# Allegro board BeagleBone_AI-64_Rev_B1_PCB_220602.brd (continued)
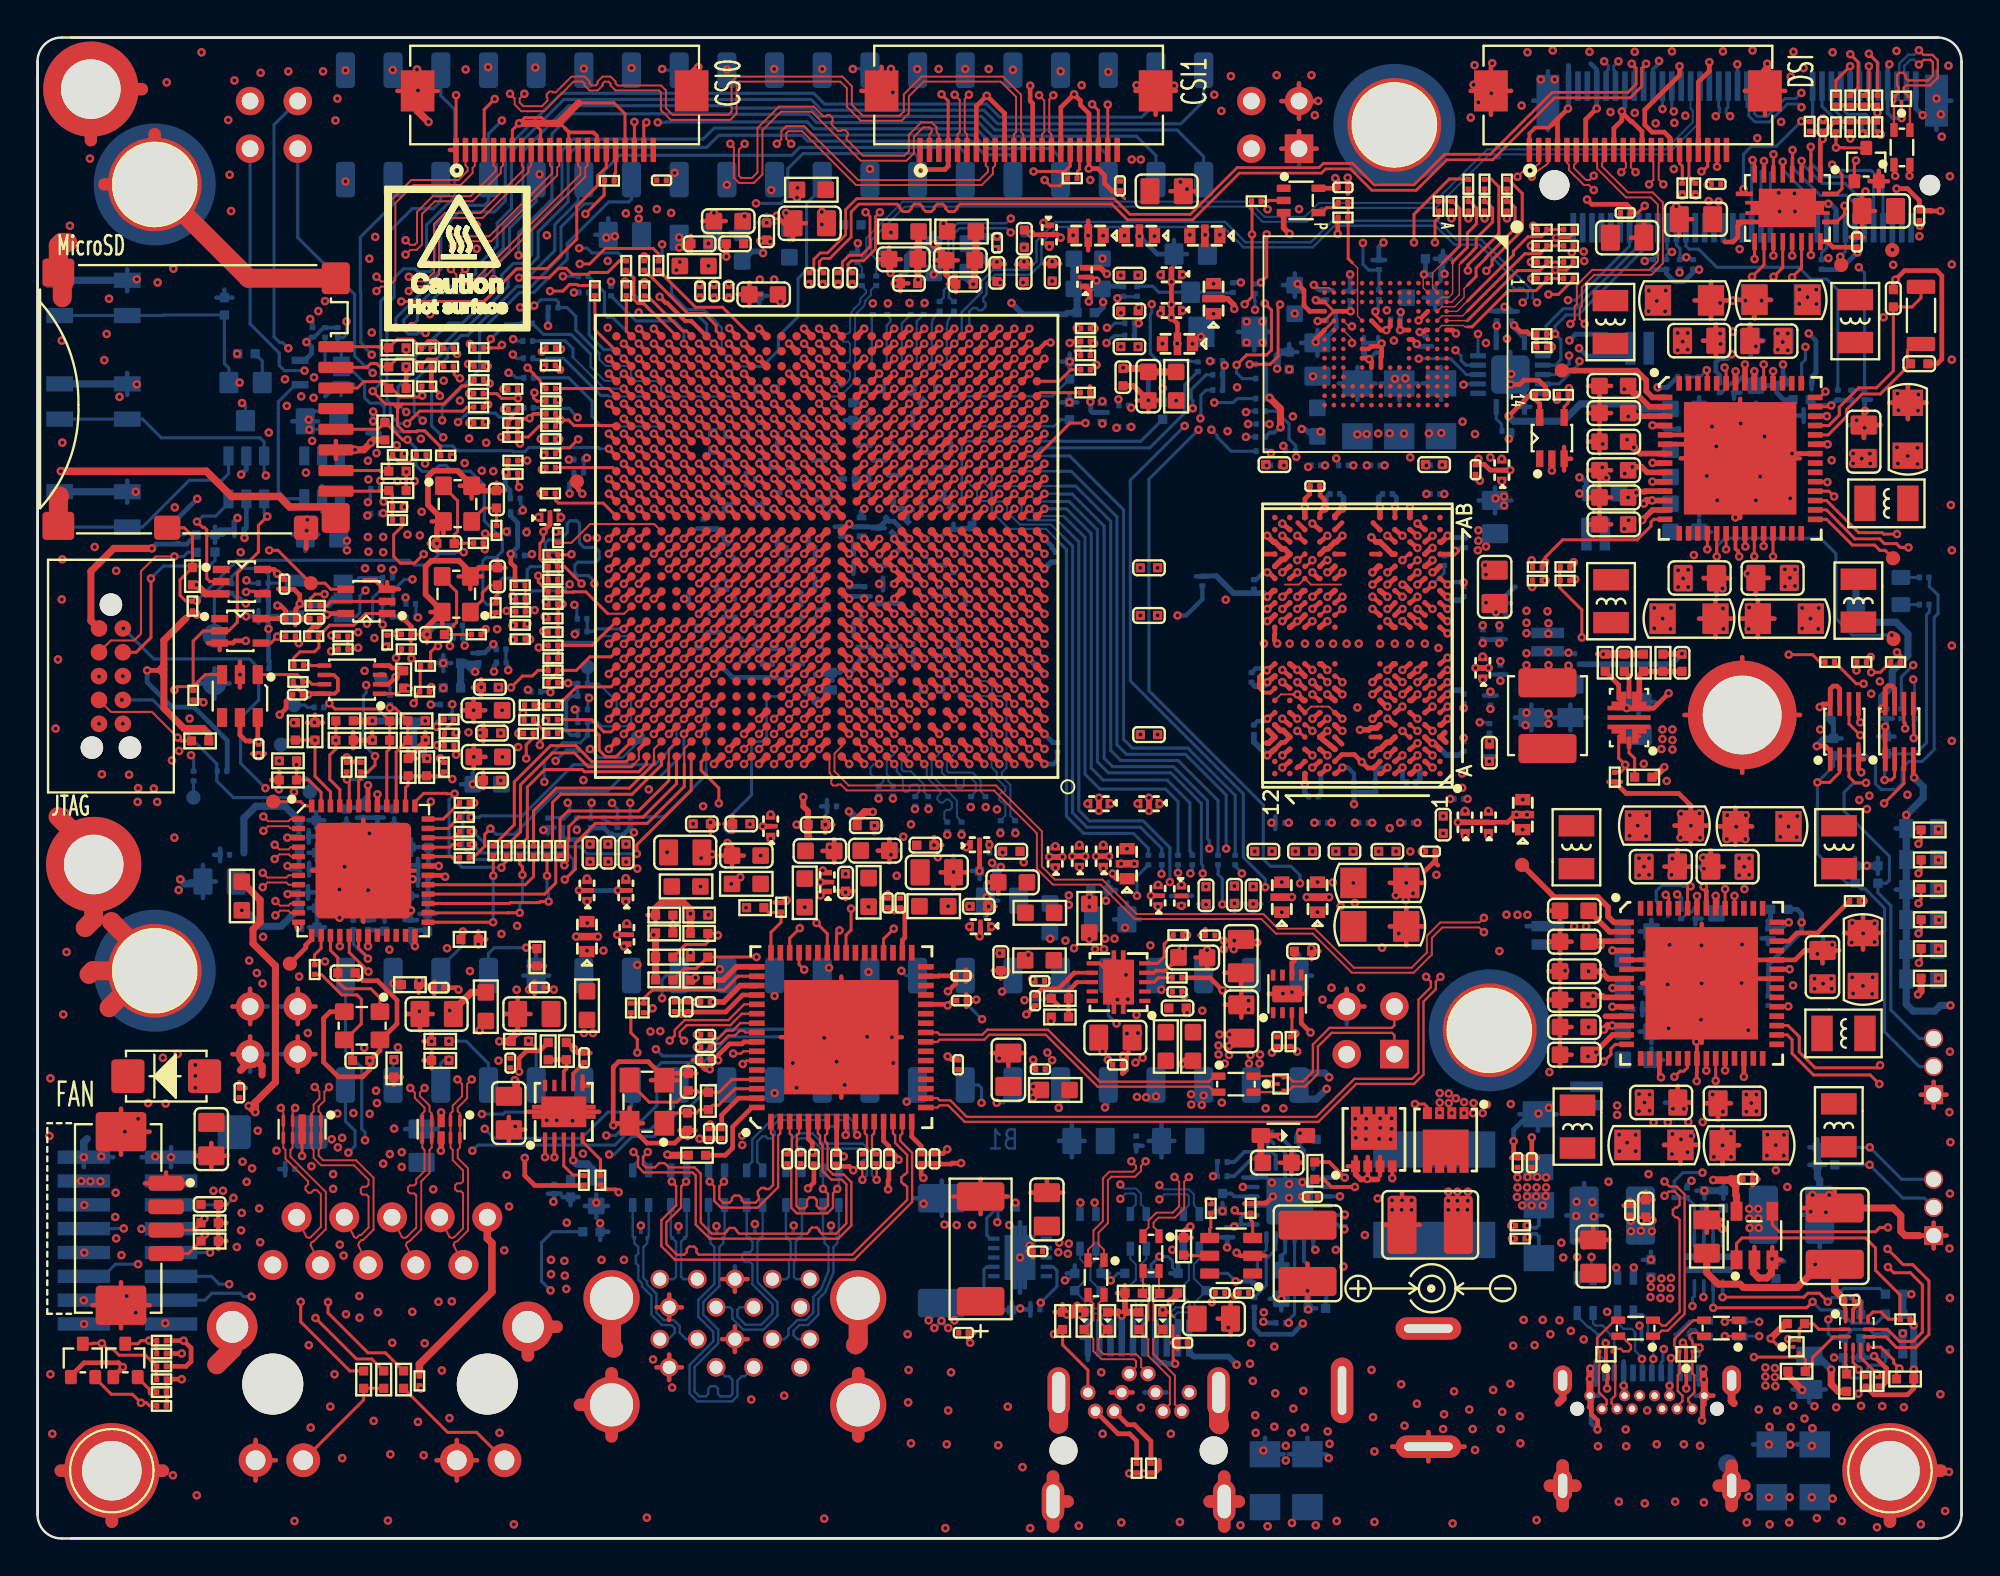
[diagram p0: board, top side]
## Routing (per net, layer and track width the routed paths; a pad name or vN(x,y) marks a point on that pad's centre or on a via; arc(x,y) is an arc through that point) (continued)
AB5_UART1_RTSN: length 52.1
  TOP w0.165: U32.12 v1(91.47,68.19)
  TOP w0.229: U19.AB5 50.44,58.88 v1(50.44,58.89)
  L3-SIGNAL w0.102: v1(63.4,59.02) 63.4,59.68 64.18,60.47 64.62,60.47 65.23,59.86 66.1,59.86 67.35,58.61 69.34,58.61 70.08,59.35 73.66,59.35 74.22,59.91 74.22,62.91 75.02,63.71 76.74,63.71 76.76,63.72 v1(77.16,63.72)
  L10-SIGNAL w0.102: v1(77.16,63.72) 77.44,63.44 79.14,63.44 80.82,65.12 84.75,65.12 84.88,64.99 86.87,64.99 87.15,65.27 87.15,66.06 87.68,66.59 88.82,66.59 90.12,67.89 91.17,67.89 v1(91.47,68.19)
  L12-SIGNAL w0.102: v1(63.4,59.02) 63.4,58.79 62.82,58.21 54.57,58.21 54.3,58.48 52.68,58.48 52.45,58.72 52.45,59.04 52.2,59.28 51.08,59.28 50.68,58.89 v1(50.44,58.89)
AB23_MCAN8_RX: length 18.2
  TOP w0.229: U19.AB23 35.63,58.48 v1(35.23,58.88)
  L5-SIGNAL w0.102: v1(39.09,71.87) 39.09,71.34 37.23,69.49 35.53,69.49 35.05,69.01 35.05,67.33 34.9,67.18 34.9,65.55 36.45,64 36.45,61.19 36.11,60.85 35.88,60.85 35.61,60.57 35.61,59.26 v1(35.23,58.88)
  BOTTOM w0.165: v1(39.09,71.87) 39.26,72.05 P8.23
AB24_SYS_BOOTMODE7: length 70.7
  TOP w0.229: U19.AB24 v1(34.44,58.88)
  L3-SIGNAL w0.102: v1(34.43,58.88) 34,58.45 30.11,58.45 v1(29.26,57.6)
  L5-SIGNAL w0.102: v1(19.64,60.04) 21.63,60.04 21.72,59.96 24.36,59.96 24.49,59.83 25.39,59.83 25.99,60.43 27.51,60.43 27.61,60.33 27.91,60.33 28.06,60.48 28.55,60.48 28.98,60.05 31.38,60.05 31.6,59.83 31.6,59.61 31.95,59.25 34.07,59.25 v1(34.43,58.88)
  BOTTOM w0.165: 29.11,57.4 29.09,57.42 R118.2 ; 29.11,57.4 29.11,56.81 R119.1 ; 29.11,57.4 29.11,57.51 29.2,57.6 v1(29.26,57.6) ; v1(19.64,60.04) 19.21,60.47 19.21,61.39 20.11,62.3 20.11,62.98 21.92,64.79 22.65,64.79 24.74,66.87 24.74,67.35 25.34,67.96 25.86,67.96 26.34,68.43 26.34,69.84 27.94,71.44 27.94,73.98 28.55,74.59 35.46,74.59 36.04,75.18 40.87,75.18 41.23,74.81 49.87,74.81 50.6,74.08 54,74.08 54.5,73.58 P8.11
AB25_MCASP0_AFSX: length 9.5
  TOP w0.229: U19.AB25 34.03,58.48 v1(33.63,58.88)
  BOTTOM w0.114: v1(33.63,58.88) 33.25,59.27 30.07,59.27 29.74,59.61
  BOTTOM w0.165: R128.1 28.29,61.87 29.54,60.62 29.54,59.81 29.74,59.61
AB26_MCASP0_ACLKX: length 6.3
  TOP w0.229: U19.AB26 v1(32.83,58.88)
  L3-SIGNAL w0.102: v1(27.79,58.59) 28.17,58.97 29.61,58.97 30.22,59.58 30.83,59.58 31.09,59.32 32.4,59.32 v1(32.83,58.88)
AB27_SYS_BOOTMODE6: length 48
  TOP w0.165: R231.2 25.59,61.26 25.6,61.26 v1(25.6,60.77) 24.72,60.77 24.47,61.02 R218.1
  TOP w0.229: U19.AB27 32.43,58.48 v1(32.03,58.88)
  L5-SIGNAL w0.102: v1(25.6,60.77) 25.19,60.77 25,60.57 24.64,60.57 24.33,60.88 23.82,60.88 23.16,60.21 21.79,60.21 21.73,60.27 19.93,60.27 19.77,60.43 16.5,60.43 15.62,61.31 11.68,61.31 v1(10.89,60.52)
  L10-SIGNAL w0.102: v1(10.89,60.52) 11.22,60.85 11.22,63.72 15.34,67.83 15.34,77.18 v1(16.41,78.25)
  L12-SIGNAL w0.102: v1(32.03,58.88) 31.64,59.27 28.04,59.27 28.01,59.25 25.86,59.25 25.6,59.5 v1(25.6,60.77)
  BOTTOM w0.165: Q1.3 11.08,60.33 v1(10.89,60.52)
AB28_PRG0_PWM0_TZ_OUT: length 72.8
  TOP w0.229: v1(31.23,58.88) 31.63,58.48 U19.AB28
  L3-SIGNAL w0.102: v1(31.23,58.88) 30.82,59.3 30.3,59.3 29,58 28.45,58 28.24,58.21 26.26,58.21 25.83,57.78 23.85,57.78 v1(22.99,58.63) ; v1(49.42,78.32) 49.02,78.32 48.64,78.71 39,78.71 37.12,76.83 28.7,76.83 28.19,76.32 28.19,69.86 26.07,67.73 24.15,67.73 22.78,66.36 20.7,66.36 19.81,65.47 18.97,65.47 18.62,65.12 17.32,65.12 15.59,63.39 13.84,63.39 12.6,62.15 12.6,59.23 v1(12.32,58.94)
  L5-SIGNAL w0.102: v1(22.99,58.63) 22.2,58.63 21.63,59.2 21.03,59.2 20.83,59 15.92,59 15.06,58.13 13.13,58.13 v1(12.32,58.94)
  BOTTOM w0.165: P8.16 v1(49.42,78.32)
AB29_PRG0_ECAP0_IN_APWM_OUT: length 50.2
  TOP w0.229: v1(30.43,58.88) 30.83,58.48 U19.AB29
  L12-SIGNAL w0.102: v1(21.61,58.69) 22.02,59.1 22.85,59.1 22.86,59.09 23.16,59.09 23.17,59.1 24.83,59.1 24.96,58.97 28.94,58.97 29.03,58.88 v1(30.43,58.88)
  BOTTOM w0.165: v1(21.61,58.69) 20.99,59.31 20.99,62.11 21.84,62.96 21.84,63.39 22.58,64.13 22.92,64.13 25.54,66.74 26.3,66.74 27.89,68.33 27.89,69.9 29.12,71.14 29.69,71.14 30.17,71.62 30.17,72.89 31.01,73.73 40.19,73.73 40.61,74.15 49.12,74.15 49.42,73.85 P8.15
AC2_AJ21: length 133.8
  L5-SIGNAL w0.102: v1(67.05,57.65) 67.34,57.94 68.46,57.94 68.76,58.23 78.26,58.23 79.07,57.43 79.07,50.13 78.84,49.9 78.84,39.67 78.41,39.23 78.41,36.11 76.32,34.03 75.18,34.03 v1(70.51,29.35)
  L10-SIGNAL w0.102: v1(70.71,16.17) 70.71,16.6 71.02,16.91 71.02,17.29 69.26,19.04 69.26,22.78 70.99,24.5 70.99,28.87 v1(70.51,29.35)
  L12-SIGNAL w0.102: v1(17.45,21.23) 17.84,21.23 19.75,23.13 24.54,23.13 24.74,22.93 35.54,22.93 36.35,22.11 36.35,21.21 37.46,20.11 39.97,20.11 40.85,20.98 42.23,20.98 42.42,20.79 45.88,20.79 46.51,20.16 46.51,17.59 48.11,15.99 53.03,15.99 54.25,14.77 55.22,14.77 55.5,15.05 59.21,15.05 59.66,14.6 69.06,14.6 70.36,15.89 70.43,15.89 v1(70.71,16.17)
  BOTTOM w0.165: 67.03,57.98 67.03,58.24 66.67,58.6 66.67,59.4 65.99,60.09 R53.2 ; 67.03,57.98 67.05,57.95 v1(67.05,57.65) ; 67.03,57.98 R46.2 ; P9.42 16.4,25.98 17.27,25.11 17.27,21.83 17.45,21.65 v1(17.45,21.23)
AC2_EQEP0_A: length 14.1
  TOP w0.229: v1(52.84,59.69) 52.84,59.68 U19.AC2
  L5-SIGNAL w0.102: v1(64.37,60.04) 63.78,59.44 63.78,58.85 63.51,58.58 56.01,58.58 55.31,59.28 53.24,59.28 v1(52.84,59.69)
  BOTTOM w0.165: v1(64.37,60.04) 64.49,60.04 64.54,60.09 R53.1
AC4_EQEP0_S: length 7.9
  TOP w0.229: U19.AC4 51.24,59.68 v1(51.24,59.69)
  L10-SIGNAL w0.102: v1(51.24,59.69) 51.24,59.9 51.63,60.29 51.63,60.64 51.89,60.89 52.2,60.89 52.43,61.12 52.43,61.5 52.62,61.69 53,61.69 53.23,61.92 53.23,61.94 53.25,61.95 53.25,62.25 53.48,62.48 53.93,62.48 54.51,63.06 54.51,63.83 55.18,64.51 v1(55.37,64.51)
AC4_W26: length 196.6
  TOP w0.165: 56.11,64.5 v1(56.31,64.5)
  L3-SIGNAL w0.102: v1(81.08,11.63) 81.08,12.04 81.28,12.23 v1(81.28,14.98)
  L5-SIGNAL w0.102: v1(30.45,20.46) 29.74,21.17 27.63,21.17 27.51,21.05 19.86,21.05 v1(19.4,20.59) ; v1(71.88,65.46) 71.27,64.85 71.27,64.04 70.52,63.29 67.99,63.29 67.31,63.97 66.04,63.97 65.43,63.36 62.2,63.36 61.64,62.81 58.46,62.81 58.11,63.15 56.27,63.15 55.9,63.52 55.9,64.33 56,64.43 56.24,64.43 v1(56.31,64.5)
  L10-SIGNAL w0.102: v1(81.28,14.98) 81.61,15.31 81.61,16.17 81.33,16.45 81.33,18.75 82.22,19.64 82.22,32.35 v1(82.5,32.63) ; v1(17.6,55.24) 17.98,54.86 17.98,54.02 17.83,53.86 16.33,53.86 15.97,53.51 15.97,52.01 16.71,51.27 16.71,44.44 17.12,44.03 17.12,40.5 16.99,40.37 16.99,25.57 17.85,24.71 18.57,24.71 19.05,24.22 19.05,22.8 19.4,22.44 v1(19.4,20.59)
  L12-SIGNAL w0.102: v1(30.45,20.46) 31.11,21.12 33.55,21.12 34.26,20.41 35.79,20.41 37.15,19.05 42.75,19.05 43.89,17.91 44.31,17.91 47.24,14.98 49.68,14.98 51.51,13.15 57.66,13.15 58.01,13.5 62.63,13.5 63.62,12.51 64.46,12.51 65.61,13.66 76.22,13.66 77.85,12.03 80.68,12.03 v1(81.08,11.63) ; v1(82.5,32.63) 82.09,33.04 82.09,45.61 83.01,46.52 83.01,52.23 81.33,53.91 81.33,58.39 78.61,61.1 77.2,61.1 74.81,63.49 74.78,63.49 74.19,64.08 74.19,64.83 73.73,65.29 73.42,65.29 73.13,65 72.34,65 v1(71.88,65.46)
  BOTTOM w0.165: v1(17.6,55.24) 17.6,55.34 17.73,55.46 17.73,55.95 R150.2 ; v1(30.45,20.46) 30.72,20.46 31.69,21.43 32.84,21.43 34.24,22.83 34.57,22.83 35.48,23.74 35.48,23.87 35.78,24.17 P9.25
AC21_AA3: length 140.9
  TOP w0.165: R221.2 23.01,59.45 v1(23.01,59.46)
  L5-SIGNAL w0.102: v1(66.37,22.93) 65.71,22.27 58.47,22.27 57.39,23.35 56.53,23.35 55.42,22.24 47.34,22.24 v1(46.3,23.28) 45.18,22.17 37.06,22.17 35.79,20.9 33.46,20.9 32.22,19.65 25.7,19.65 25.19,20.16 23.7,20.16 23.34,19.8 v1(19.4,19.8) ; v1(58.27,59.25) 58.7,58.81 61.56,58.81 v1(61.85,59.1)
  L8-PWR/GND w0.127: v1(19.4,19.8) 19.7,20.1 19.85,20.1 20.01,20.26 20.01,20.84 19.46,21.4 19.46,24.56 19.68,24.78 19.68,27.04 19.63,27.09 19.63,31.84 18.82,32.66 18.82,43.65 18.24,44.24 18.24,45.76 18.95,46.47 19.3,46.47 19.52,46.7 19.52,47.95 19.87,48.3 19.87,49.56 21.97,51.65 21.97,55.97 23.38,57.39 23.38,59.08 v1(23.01,59.46)
  L10-SIGNAL w0.102: v1(66.37,22.93) 66.62,23.18 66.62,28.28 67.24,28.9 67.24,34.34 67.26,34.35 v1(67.26,34.92)
  BOTTOM w0.165: v1(61.85,59.1) 59.21,56.46 59.21,45.19 65.3,39.09 65.3,36.21 65.68,35.83 66.77,35.83 67.26,35.34 v1(67.26,34.92) ; v1(46.3,23.28) 46.4,23.38 46.51,23.38 46.51,23.79 P9.17 ; 58.14,59.25 v1(58.27,59.25)
AC21_SPI6_CS0: length 14.4
  TOP w0.165: 23.77,59.45 23.85,59.53 v1(23.9,59.53)
  TOP w0.229: v1(36.83,59.68) 37.23,59.28 U19.AC21
  L3-SIGNAL w0.102: v1(36.83,59.68) 36.47,60.05 30.33,60.05 29.49,59.2 28.07,59.2 28.02,59.15 24.69,59.15 24.31,59.53 v1(23.9,59.53)
  L12-SIGNAL w0.102: v1(36.83,59.68) 36.78,59.74
AC22_SYS_BOOTMODE1: length 16.1
  TOP w0.165: 25.04,59.47 25.06,59.45 R232.2 ; 25.04,59.47 25.22,59.65 25.22,59.76 25.55,60.09 25.55,60.17 R234.1 ; 25.04,59.47 25.04,58.71 ; 25.04,58.71 v1(24.7,58.71) ; 25.04,58.71 R233.1
  TOP w0.229: v1(36.03,59.68) 36.43,59.28 U19.AC22
  L12-SIGNAL w0.102: v1(36.03,59.68) 36.03,59.44 35.63,59.04 35.63,57.92 35.39,57.69 30.14,57.69 29.71,58.11 26.69,58.11 26.06,58.74 25.13,58.74 25.1,58.71 v1(24.7,58.71)
AC22_U29: length 54.2
  TOP w0.165: R250.2 v1(26.8,55.7) ; 25.05,60.2 v1(24.86,60.2)
  L5-SIGNAL w0.102: v1(42.16,30.42) 40,32.58 34.49,32.58 34.22,32.85 34.22,32.86 34,33.07 34,33.07 33.89,33.18 28.3,33.18 27.35,32.22 v1(24.71,32.22)
  L8-PWR/GND w0.127: v1(26.8,55.7) 26.26,55.16 26.26,53.98 26.46,53.78 26.46,53.26 25.93,52.72 25.93,52.29 23.47,49.82 23.47,48.28 23.8,47.95 23.8,45.89 24,45.69 24,45.57 24.04,45.53 24.04,45.21 24,45.17 24,41.57 22.65,40.22 22.65,34.31 22.26,33.91 22.26,32.11 22.5,31.87 22.91,31.87 23.26,32.22 v1(24.71,32.22)
  L10-SIGNAL w0.102: v1(26.8,55.7) 26.49,56.01 26.49,58.06 26.07,58.47 26.07,58.98 v1(24.86,60.2)
  BOTTOM w0.165: P9.22 41.8,30.26 41.97,30.42 v1(42.16,30.42)
AC23_UART0_RXD: length 101.7
  TOP w0.229: v1(35.23,59.68) 35.63,59.28 U19.AC23
  L3-SIGNAL w0.102: v1(14.3,56.81) 14.7,56.81 14.78,56.89 17.83,56.89 18.31,57.37 20.04,57.37 20.27,57.14 20.27,57.14 20.49,56.91 20.5,56.91 21.03,56.38 24.74,56.38 24.74,56.37 25.05,56.37 25.13,56.45 25.87,56.45 25.92,56.4 26.03,56.3 27.24,56.3 27.42,56.48 29.56,56.48 30,56.91 31.37,56.91 31.6,57.14 31.6,57.36 31.89,57.65 33.71,57.65 34,57.94 34,58.16 34.36,58.52 34.58,58.52 34.8,58.74 34.8,59.25 v1(35.23,59.68)
  L5-SIGNAL w0.102: v1(54.4,22.95) 54.18,22.72 52.59,22.72 50.33,24.98 46.28,24.98 44.63,23.33 21.46,23.33 20.57,22.44 18.6,22.44 18.42,22.27 17.23,22.27 v1(16.83,22.67)
  L10-SIGNAL w0.102: v1(16.83,22.67) 16.83,23.07 16.86,23.1 16.86,24.08 15.48,25.46 15.48,29.64 14.68,30.45 14.68,35.79 14.06,36.41 14.06,40.99 14.16,41.09 14.16,41.39 14.15,41.41 14.15,43.68 13.56,44.26 13.56,45.56 14.81,46.8 14.81,56.3 v1(14.3,56.81)
  BOTTOM w0.165: P9.11 54.5,23.05 v1(54.4,22.95)
AC24_MCAN6_TX: length 37.7
  TOP w0.229: v1(34.43,59.68) 34.83,59.28 U19.AC24
  L5-SIGNAL w0.102: v1(34.43,59.68) 34.03,60.09 34.03,67.02 34.59,67.58 34.59,69.31 35.56,70.27 36.22,70.27 38.68,72.74 43.23,72.74 44.73,74.24 53.11,74.24 54.73,75.86 54.73,77.43 55.47,78.17 v1(57.04,78.17)
  BOTTOM w0.165: P8.10 v1(57.04,78.17)
AC25_PRG0_PRU1_GPO3: length 38.9
  TOP w0.229: v1(33.63,59.68) 34.03,59.28 U19.AC25
  L5-SIGNAL w0.102: v1(13.36,63.44) 13.76,63.44 13.87,63.34 15.47,63.34 15.64,63.52 17.98,63.52 18.29,63.82 18.29,64.28 19,64.99 20.09,64.99 20.27,64.81 22.86,64.81 23.34,64.33 25.45,64.33 25.96,63.82 25.96,63.49 26.68,62.77 27.89,62.77 28.21,62.45 31.38,62.45 31.6,62.23 31.6,62.01 31.88,61.72 32.11,61.72 32.4,61.43 32.4,61.21 32.68,60.92 32.91,60.92 33.2,60.63 33.2,60.12 v1(33.63,59.68)
  BOTTOM w0.165: v1(13.36,63.44) 13.06,63.74 12.9,63.74 12.6,64.05 12.6,75.35 P8.44
AC26_PRG0_PRU1_GPO6: length 29.1
  TOP w0.229: U19.AC26 33.23,59.28 v1(32.83,59.68)
  L5-SIGNAL w0.102: v1(17.8,63.1) 18.21,63.1 18.99,63.87 22.19,63.87 23.61,62.45 23.61,62.32 23.82,62.11 24.34,62.11 24.76,62.53 25.27,62.53 26.06,61.74 27.1,61.74 27.53,61.31 30.12,61.31 30.46,61.65 31.38,61.65 31.6,61.43 31.6,61.21 31.88,60.92 32.11,60.92 32.4,60.63 32.4,60.12 v1(32.83,59.68)
  BOTTOM w0.165: P8.39 18.94,71.11 17.19,69.36 17.19,66.47 17.22,66.45 17.22,63.75 17.5,63.46 17.5,63.4 v1(17.8,63.1)
AC27_PRG0_PWM2_A1: length 40
  TOP w0.229: v1(32.03,59.68) 32.43,59.28 U19.AC27
  L5-SIGNAL w0.102: v1(21.64,61.71) 21.93,61.43 22.04,61.43 22.05,61.43 23.21,61.43 23.45,61.19 24.34,61.19 24.66,60.87 24.97,60.87 25.24,61.14 25.75,61.14 26.22,60.67 27.21,60.67 27.61,61.07 27.91,61.07 28.13,60.85 31.38,60.85 31.6,60.63 31.6,60.12 v1(32.03,59.68)
  L10-SIGNAL w0.102: v1(36.73,78.3) 36.23,78.3 33.53,75.59 33.53,75.35 29.51,71.34 29.29,71.34 28.78,70.83 22.37,70.83 21.31,69.77 21.31,67.33 21.56,67.07 21.56,62.31 21.64,62.23 v1(21.64,61.71)
  BOTTOM w0.165: v1(36.73,78.3) 36.74,78.3 36.74,78.28 P8.26
AC28_GPIO0_50: length 5.7
  TOP w0.229: U19.AC28 31.63,59.28 v1(31.23,59.68)
  L12-SIGNAL w0.102: v1(31.23,59.68) 29.27,59.68 29.2,59.75 v1(28.77,59.75)
  BOTTOM w0.165: v1(28.77,59.75) 28.47,60.05 28.47,60.09 28.32,60.24 27.85,60.24 27.82,60.27 R129.1
AC29_SYS_BOOTMODE2: length 54.6
  TOP w0.165: R258.2 27.63,59.94 27.63,59.85 v1(27.86,59.61) ; v1(27.86,59.61) 27.63,59.38 27.63,59.28 R259.1 ; v1(27.86,59.61) 28.29,59.61 28.58,59.33 30.79,59.33 U19.AC29
  L10-SIGNAL w0.102: v1(27.86,59.61) 27.33,60.15 27.33,63.82 26.83,64.32 26.83,67.99 28.19,69.36 28.8,69.36 30.12,70.68 30.12,71.26 31.24,72.38 35.4,72.38 36.98,73.96 44.83,73.96 46.66,75.78 62.74,75.78 62.81,75.71 63.76,75.71 P8.4
AD5_EQEP0_I: length 155.1
  TOP w0.229: v1(50.44,60.49) 50.44,60.48 U19.AD5
  L5-SIGNAL w0.102: v1(81.18,15.76) 80.08,14.67 79.6,14.67 79.07,14.14 69.92,14.14 v1(69.57,14.49) ; v1(50.44,60.49) 50.8,60.85 52.11,60.85 53.54,62.27 55.14,62.27 55.79,62.92 57.91,62.92 58.28,62.55 61.72,62.55 62.3,63.14 65.52,63.14 66.13,63.75 67.16,63.75 68.1,62.81 70.36,62.81 70.84,63.29 71.78,63.29 71.97,63.48 71.97,63.56 v1(72.26,63.85)
  L10-SIGNAL w0.102: v1(81.86,32.63) 81.86,32.24 81.94,32.16 81.94,19.75 80.9,18.71 80.9,16.04 v1(81.18,15.76)
  L12-SIGNAL w0.102: v1(81.86,32.63) 81.86,45.89 82.78,46.8 82.78,52.14 81.1,53.81 81.1,58.29 78.52,60.88 77.1,60.88 74.72,63.26 72.85,63.26 v1(72.26,63.85) ; v1(69.57,14.49) 69.44,14.37 58.73,14.37 58.27,14.82 55.6,14.82 55.32,14.55 51.08,14.55 49.89,15.74 48,15.74 46.28,17.47 46.28,18.51 44.68,20.11 43.3,20.11 43,19.8 37.44,19.8 34.54,22.7 29.61,22.7 28.27,21.35 18.67,21.35 18.16,20.84 16.84,20.84 v1(16.56,20.57)
  BOTTOM w0.165: P9.41 16.4,22.24 16.91,21.73 16.91,20.92 v1(16.56,20.57)
AD20_SYS_BOOTMODE0: length 38.5
  TOP w0.229: v1(37.63,60.48) 38.03,60.08 U19.AD20
  L3-SIGNAL w0.102: v1(26.46,65.71) 26.46,66.12 26.44,66.14 26.44,67.78 28.47,69.82 28.47,76.04 29.03,76.6 37.51,76.6 v1(39.24,78.32)
  BOTTOM w0.114: 29.92,63.16 29.92,62.85 30.27,62.5 31.42,62.5 31.62,62.3 31.62,61.95 31.88,61.69 32.98,61.69 33.22,61.45 33.22,61.1 33.45,60.88 37.24,60.88 v1(37.63,60.48)
  BOTTOM w0.165: 27.75,65.61 27.75,65.89 27.61,66.03 26.82,66.03 26.49,65.7 ; 27.75,65.61 R123.1 ; 27.75,65.61 28.21,65.61 28.67,65.14 28.67,64.41 29.92,63.16 ; 26.37,65.62 26.46,65.7 26.49,65.7 ; 26.49,65.7 26.49,65.71 v1(26.46,65.71) ; v1(39.24,78.32) 39.26,78.3 P8.24
AD21_PRG1_PRU0_GPO10: length 16.4
  TOP w0.165: R224.1 23.79,61.75 23.98,61.56 v1(24.08,61.56)
  TOP w0.229: U19.AD21 37.23,60.08 v1(36.83,60.48)
  L3-SIGNAL w0.102: v1(36.83,60.48) 36.45,60.87 36.45,61.54 36.26,61.72 35.88,61.72 35.67,61.94 35.67,62.31 35.48,62.5 30.12,62.5 29.03,61.41 27.4,61.41 26.69,60.7 26.21,60.7 25.68,61.23 25.42,61.23 24.99,61.66 24.59,61.66 24.48,61.56 v1(24.08,61.56)
AD22_UART2_TXD: length 33.4
  TOP w0.229: U19.AD22 36.43,60.08 v1(36.03,60.48)
  L5-SIGNAL w0.102: v1(26.52,78.4) 25.22,78.4 23.9,77.08 23.9,69.25 v1(23.39,68.75)
  L12-SIGNAL w0.102: v1(36.03,60.48) 36.42,60.87 36.42,63.97 34.66,65.74 34.66,66.32 33.63,67.35 33.63,68.81 33.64,68.83 33.64,69.13 33.63,69.14 33.63,69.18 33.17,69.64 31.5,69.64 31.27,69.87 24.51,69.87 v1(23.39,68.75)
  BOTTOM w0.165: P8.34 26.56,78.35 v1(26.52,78.4)
AD23_EQEP1_A: length 13.1
  TOP w0.165: R220.1 23.77,60.29 23.87,60.39 23.95,60.39 v1(24,60.44)
  TOP w0.229: v1(35.23,60.48) 35.63,60.08 U19.AD23
  L3-SIGNAL w0.102: v1(24,60.44) 24.29,60.16 24.29,59.99 24.45,59.83 25.16,59.83 25.47,60.14 27.91,60.14 28.65,60.88 34.84,60.88 v1(35.23,60.48)
AD23_Y3: length 79.5
  TOP w0.165: v1(19.68,59.43) 19.99,59.73 19.99,59.73 20.35,60.09 22.66,60.09 22.86,60.29 R220.2
  L3-SIGNAL w0.102: v1(55.62,77.46) 54.23,77.46 52.75,78.93 28.52,78.93 25.17,75.58 v1(24.74,75.58)
  L5-SIGNAL w0.102: v1(55.62,77.46) 55.62,76.22 55.98,75.86 58.95,75.86 60.42,74.39 60.42,68.67 59.36,67.61 v1(59.36,65.79)
  L8-PWR/GND w0.127: v1(55.62,77.46) 55.55,77.39
  BOTTOM w0.165: v1(59.36,65.79) 59.36,65.35 59.28,65.27 59.28,63.16 59.69,62.75 61.44,62.75 61.46,62.74 61.81,62.74 R67.2 ; v1(24.74,75.58) 24.02,74.87 P8.35 24.02,71.28 23.8,71.06 22.27,71.06 21.16,69.94 21.16,67.78 20.9,67.52 20.26,67.52 20.11,67.68 19.5,67.68 19,67.17 19,66.16 18.61,65.78 18.61,60.68 18.79,60.49 18.79,59.88 19.2,59.48 19.21,59.48 19.26,59.43 v1(19.68,59.43)
AD24_MCAN5_RX: length 59.5
  TOP w0.229: U19.AD24 34.83,60.08 v1(34.43,60.48)
  L12-SIGNAL w0.102: v1(34.43,60.48) 34.85,60.9 35.39,60.9 35.67,61.18 35.67,64.34 34.43,65.59 34.43,66.15 32.67,67.9 32.12,67.9 31.52,68.5 29.09,68.5 29.01,68.41 28.7,68.41 28.61,68.5 26.12,68.5 26.02,68.39 v1(25.63,68.39)
  BOTTOM w0.165: P8.7 59.58,73.71 58.54,74.74 50.87,74.74 50.15,75.47 41.51,75.47 41.06,75.91 36.92,75.91 36.9,75.94 28.47,75.94 27.4,74.87 27.4,71.38 25.63,69.6 v1(25.63,68.39)
AD25_PRG0_PRU0_GPO4: length 93.4
  TOP w0.229: U19.AD25 34.03,60.08 v1(33.63,60.48)
  L5-SIGNAL w0.102: v1(18.77,20.49) 19.06,20.2 19.54,20.2 19.59,20.26 23.39,20.26 23.9,20.77 27.71,20.77 27.89,20.95 29.36,20.95 30.22,20.08 30.73,20.08 31.04,20.39 31.04,21.1 32.38,22.44 44.8,22.44 46.38,24.02 49.49,24.02 v1(50.29,23.22)
  L8-PWR/GND w0.127: v1(22.5,60.65) 22.01,60.15 22.01,59.47 21.62,59.08 21.45,59.08 20.9,58.54 20.9,57.6 21.04,57.46 21.04,53.36 20.88,53.2 20.88,52.72 20.97,52.63 20.97,52.3 20.18,51.52 19.81,51.52 19.02,50.73 19.02,48.68 18.66,48.31 18.66,47.98 18.95,47.69 18.95,47.34 17.93,46.33 17.93,44.14 18.57,43.5 18.57,32.5 19.38,31.69 19.38,27.83 18.6,27.06 18.6,25.23 19.17,24.65 19.17,22.6 18.47,21.9 18.47,20.79 v1(18.77,20.49)
  L12-SIGNAL w0.102: v1(22.5,60.65) 23.14,60.65 23.34,60.84 24.36,60.84 24.38,60.82 25.09,60.82 25.45,61.18 25.8,61.18 26.06,60.93 26.06,60.77 26.73,60.1 28.01,60.1 28.03,60.12 28.92,60.12 28.93,60.11 33.26,60.11 v1(33.63,60.48)
  BOTTOM w0.165: v1(50.29,23.22) 50.29,24.01 50.13,24.17 P9.15
AD26_AB1: length 197.6
  L3-SIGNAL w0.102: v1(85.82,19.42) 83.54,17.14 83.54,14.8 81.68,12.95 v1(81.68,11.07)
  L5-SIGNAL w0.102: v1(85.82,19.42) 87.02,19.42 87.58,19.98 87.94,19.98 89.15,21.19 89.15,22.45 87.66,23.94 86.28,23.94 84.55,25.66 84.55,31.77 80.92,35.4 80.92,52.42 79.47,53.86 79.47,58.57 79.04,59.01 77.43,59.01 76.91,58.49 68.69,58.49 68.36,58.17 67.1,58.17 66.52,58.74 65.89,58.74 65.63,59 v1(65.63,59.4)
  L8-PWR/GND w0.127: v1(25.32,63.11) 25.32,62.46 26.01,61.78 26.01,60.11 25.31,59.41 25.31,56.61 25,56.31 25,55.68 24.24,54.92 24.24,52.1 21.92,49.78 21.92,48.43 22.36,47.98 22.36,46.86 22.11,46.6 22.11,45.14 21.34,44.37 21.34,44.28 21.11,44.05 20.52,44.05 19.89,43.43 19.89,35.98 21.16,34.71 21.16,29.3 21.23,29.23 21.23,27.42 20.6,26.79 20.6,25.65 23.16,23.08 v1(23.16,20.67)
  L12-SIGNAL w0.102: v1(81.68,11.07) 81.68,12.01 81.43,12.26 77.95,12.26 76.32,13.89 65.45,13.89 64.89,13.33 63.52,13.33 63.12,13.73 57.91,13.73 57.55,13.38 51.61,13.38 49.7,15.28 47.27,15.28 44.34,18.22 43.92,18.22 42.85,19.3 37.23,19.3 35.88,20.64 34.44,20.64 33.63,21.45 31.11,21.45 30.61,20.95 28.62,20.95 28.42,20.74 25.37,20.74 25.3,20.67 v1(23.16,20.67)
  BOTTOM w0.165: P9.27 34.18,23.73 33.87,23.42 33.87,23.02 32.61,21.76 31.55,21.76 30.76,20.97 23.46,20.97 v1(23.16,20.67) ; R130.2 25.5,62.91 25.4,63.01 25.4,63.03 v1(25.32,63.11) ; R48.2 v1(65.63,59.4)
AD26_MCASP0_AFSR: length 8.1
  TOP w0.229: U19.AD26 33.23,60.08 v1(32.83,60.48)
  BOTTOM w0.114: 30.38,60.93 30.43,60.87 32.45,60.87 v1(32.83,60.48)
  BOTTOM w0.165: R130.1 26.41,62.91 26.48,62.84 27.05,62.84 27.12,62.91 28.01,62.91 30,60.93 30.38,60.93
AD27_PRG0_PRU1_GPO2: length 32.7
  TOP w0.229: v1(32.03,60.48) 32.43,60.08 U19.AD27
  L12-SIGNAL w0.102: v1(17.85,62.12) 18.13,62.4 18.13,62.4 18.29,62.56 18.29,62.65 18.54,62.91 20.29,62.91 20.52,62.68 21.35,62.68 21.69,63.02 21.69,63.68 22.04,64.04 23.3,64.04 23.61,63.73 23.61,62.25 23.62,62.25 23.82,62.04 24.33,62.04 24.79,62.5 25.4,62.5 25.6,62.3 25.6,61.99 25.83,61.76 27.07,61.76 27.51,61.33 30.67,61.33 31.08,60.92 31.6,60.92 v1(32.03,60.48)
  BOTTOM w0.165: v1(17.85,62.12) 17.55,62.43 17.5,62.43 16.89,63.03 16.89,66.31 13.86,69.34 P8.43
AD28_UART4_RTSN: length 4.5
  TOP w0.165: 27.62,60.62 27.68,60.62 v1(27.76,60.7)
  TOP w0.229: U19.AD28 31.63,60.08 v1(31.23,60.48)
  L12-SIGNAL w0.102: v1(31.23,60.48) 30.74,60.98 28.04,60.98 v1(27.76,60.7)
AD29_PRG0_PRU1_GPO4: length 33.8
  TOP w0.229: U19.AD29 30.83,60.08 v1(30.43,60.48)
  L10-SIGNAL w0.102: v1(16.41,72.33) 15.75,71.67 15.75,64.89 15.21,64.35 14.15,64.35 13.76,63.97 13.76,61.99 14.15,61.61 14.45,61.61 v1(14.73,61.89)
  L12-SIGNAL w0.102: v1(30.43,60.48) 28.07,60.48 27.91,60.33 27.47,60.33 27.15,60.65 27.15,61.18 26.82,61.51 25.25,61.51 25.12,61.63 24.67,61.63 24.45,61.41 24.23,61.19 23.53,61.19 23.32,61.41 23.32,62.83 22.55,63.59 22.1,63.59 21.92,63.42 21.92,62.92 21.45,62.45 20.17,62.45 19.25,61.54 15.09,61.54 v1(14.73,61.89)
AE20_MCAN4_TX: length 31.1
  TOP w0.229: U19.AE20 v1(37.63,61.28)
  L5-SIGNAL w0.102: v1(24,78.43) 23.39,77.82 v1(23.39,69.99)
  L12-SIGNAL w0.102: v1(23.39,69.99) 23.79,69.99 23.89,70.1 31.37,70.1 31.6,69.87 34.54,69.87 34.9,69.51 34.9,65.9 35.3,65.5 36.47,65.5 37.27,64.7 37.27,61.65 v1(37.63,61.28)
AE21_M.2_UART_WAKE#: length 84.5
  TOP w0.229: U19.AE21 v1(36.84,61.28)
  L5-SIGNAL w0.102: v1(56.08,72.41) 55.7,72.03 47.19,72.03 46.86,72.36 40.08,72.36 39.65,71.92 39.65,71.54 37.19,69.09 37.19,67.04 37.21,67.03 37.21,61.66 v1(36.84,61.28) ; v1(95.4,68.24) 95.83,68.67 95.83,72.93 96.18,73.27 96.18,75.72 93.52,78.38 92.78,78.38 91.11,76.7 79.39,76.7 v1(79.06,76.38)